# Allegro board RK3576_TEMPLATE_LP4XD200P132SD6_24X34_2133MHz_H1R6_V11_20240529YWQ.brd (continued)
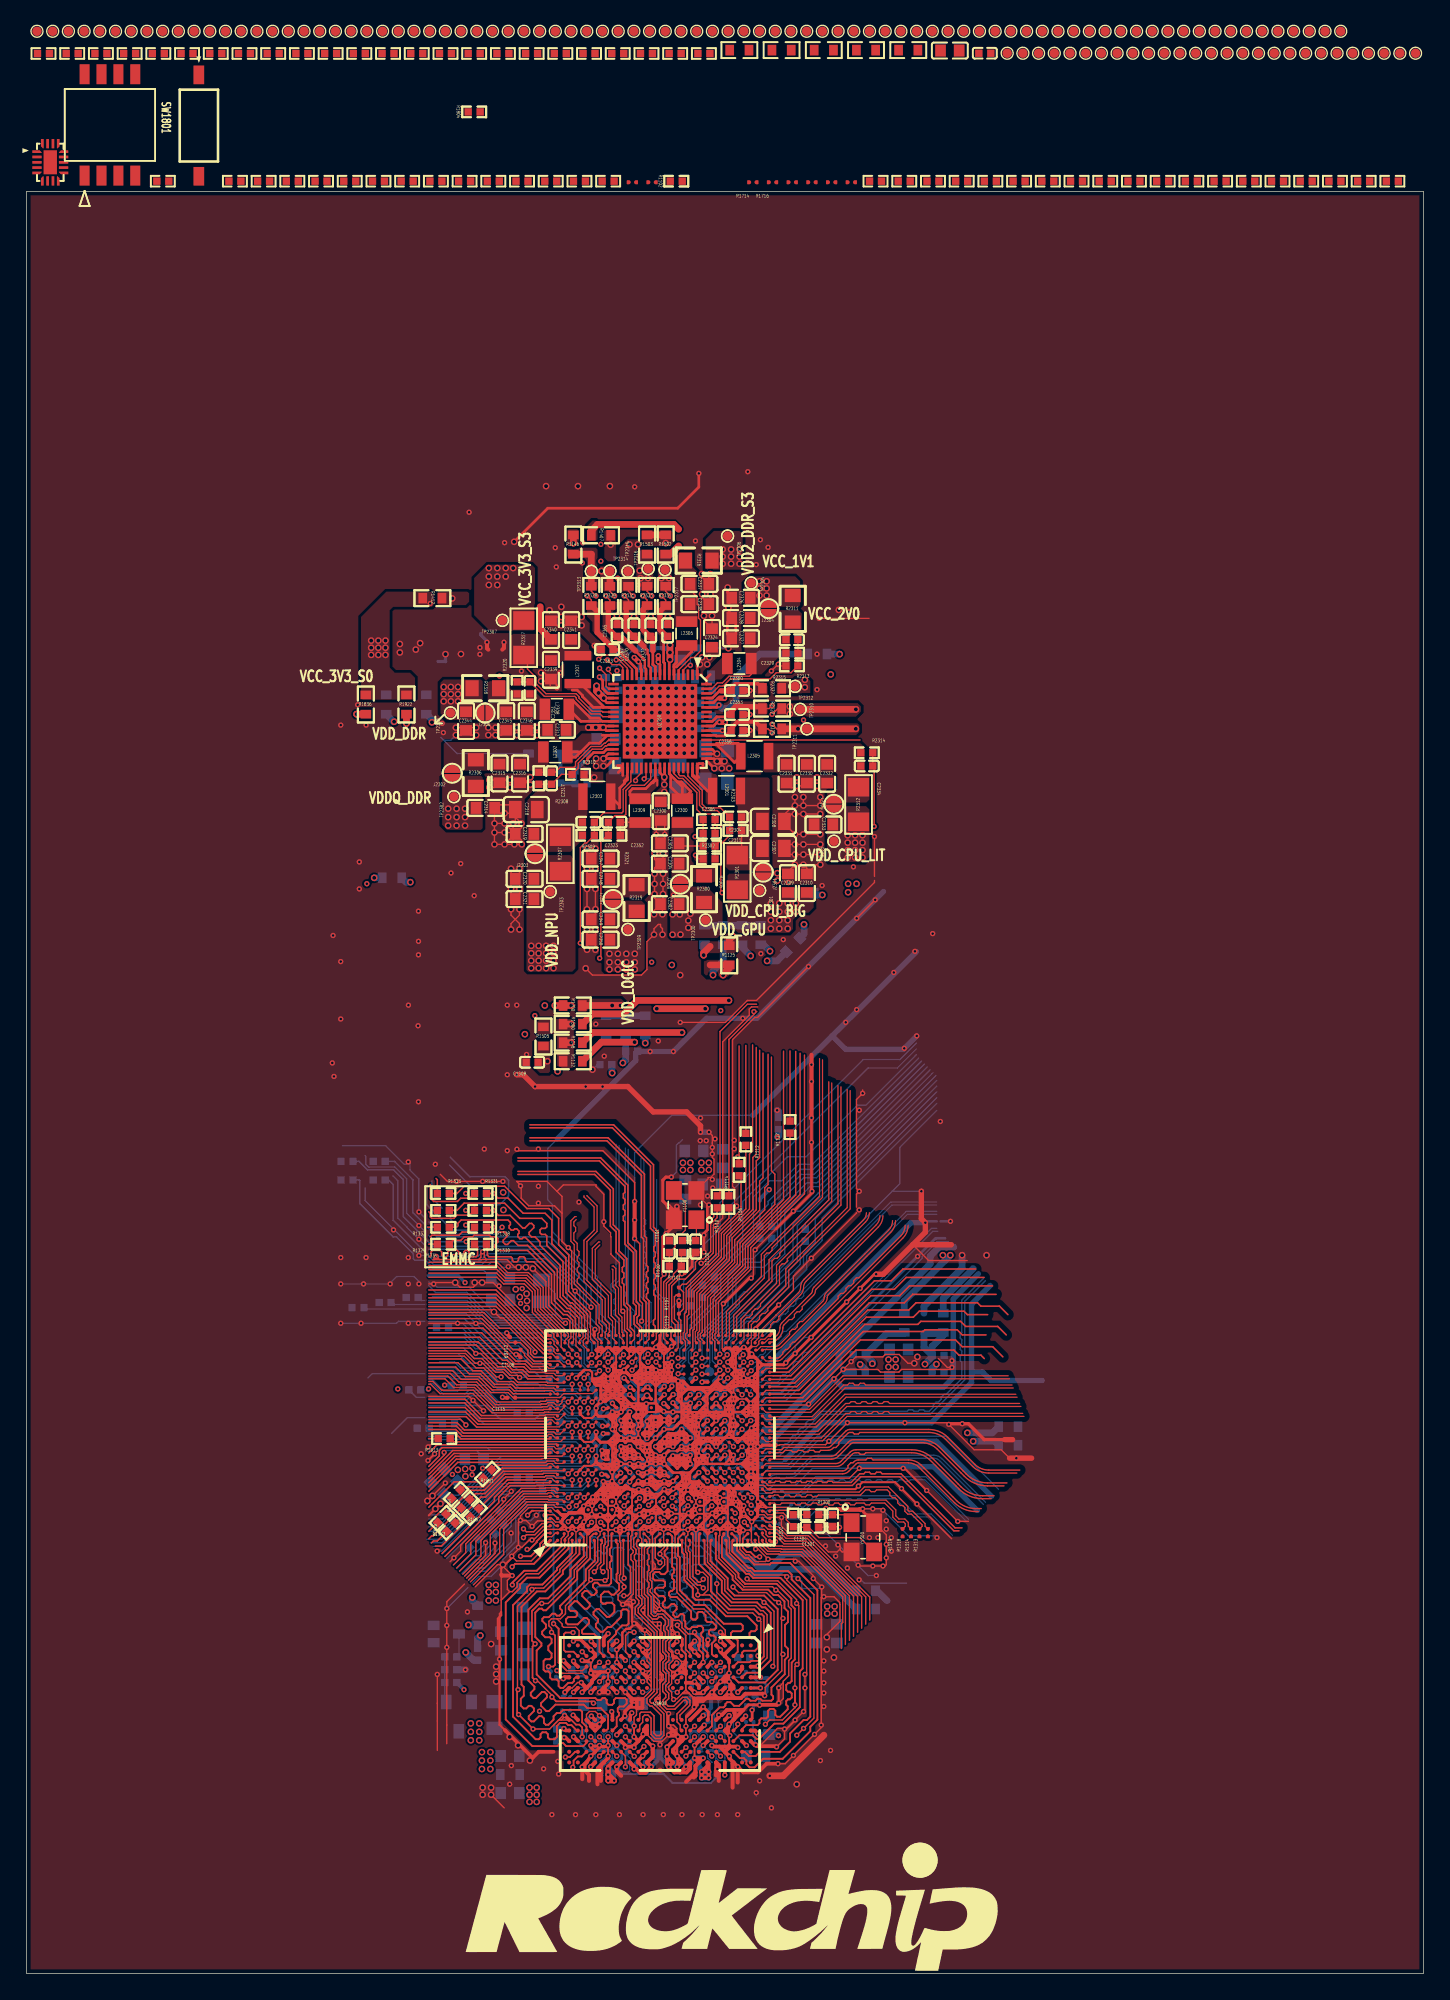
[diagram p0: board, top side]
## Nets (continued)
GPIO0_D3_D: R1140.1 U1000.1AA23(UART1_RTSN_M0 | PWM2_CH0_M0 | GPU_AVS        | --              | I2C4_SDA_M0      | PDM0_SDI3_M0 | SAI0_SDO1_M1   | SAI0_SDI3_M1 | GPIO0_D3_D)
GPIO1_A4: R1332.1 U1000.1D24(--          | --         | --            | SPI0_CSN0_M2  | --           | SAI3_MCLK_M0 | SAI0_MCLK_M2 | --         | EMMC_D4   | GPIO1_A4_U)
GPIO1_A5: R1333.1 U1000.G28(--          | --         | I2C9_SCL_M0   | SPI0_MOSI_M2  | PDM0_SDI2_M1 | SAI3_SCLK_M0 | --           | --         | EMMC_D5   | GPIO1_A5_U)
GPIO1_A6: R1334.1 U1000.D28(--          | --         | I2C9_SDA_M0   | SPI0_MISO_M2  | PDM0_CLK1_M1 | SAI3_LRCK_M0 | --           | --         | EMMC_D6   | GPIO1_A6_U)
GPIO1_A7: R1335.1 U1000.1B24(--          | --         | --            | SPI0_CLK_M2   | --           | SAI3_SDI_M0  | SAI0_SDO0_M2 | --         | EMMC_D7   | GPIO1_A7_U)
GPIO1_B0: R1336.1 U1000.1F22(--          | --         | I2C7_SCL_M0   | UART6_TX_M2   | --           | --           | FSPI0_CSN1   | FSPI0_RSTN | EMMC_CMD  | GPIO1_B0_U)
GPIO1_B2: R1338.1 U1000.1F23(--          | --         | --            | SPI0_CSN1_M2  | PDM0_SDI0_M1 | SAI3_SDO_M0  | SAI0_SDI0_M2 | --         | EMMC_STRB | GPIO1_B2_D)
GPIO1_C1_D: R1813.1 U1000.1B22(--           | --               | --           | --             | UART3_RX_M2    | --           | PDM0_CLK0_M2 | SAI3_MCLK_M1  | --            | SDMMC1_CLK_M0   | ETH1_TXCLK_M1       | GPIO1_C1_D)
GPIO1_C2_U: R1814.1 U1000.B29(PWM1_CH2_M1  | --               | SPI2_CSN1_M1 | I2C6_SCL_M1    | UART4_RTSN_M1  | --           | --           | FSPI1_CSN1_M1 | FSPI1_RSTN_M1 | SDMMC1_PWREN_M0 | ETH1_PPSCLK_M1      | GPIO1_C2_U)
GPIO1_C3_U: R1815.1 U1000.1C23(--           | --               | SPI2_CSN0_M1 | I2C6_SDA_M1    | UART4_CTSN_M1  | --           | --           | --            | FSPI1_CSN0_M1 | SDMMC1_DETN_M0  | ETH1_PPSTRIG_M1     | GPIO1_C3_U)
GPIO1_C4_D: R1816.1 U1000.1B23(--           | PCIE0_BUTTONRSTN | SPI2_MOSI_M1 | UART2_RTSN_M0  | UART4_TX_M1    | --           | --           | --            | FSPI1_D0_M1   | --              | ETH1_TXD0_M1        | GPIO1_C4_D)
GPIO1_C5_D: R1817.1 U1000.B28(--           | PCIE1_BUTTONRSTN | SPI2_MISO_M1 | UART2_CTSN_M0  | UART4_RX_M1    | --           | --           | --            | FSPI1_D1_M1   | --              | ETH1_TXD1_M1        | GPIO1_C5_D)
GPIO1_C6_D: R1818.1 U1000.A26(--           | SATA_CPPOD       | --           | I2C8_SCL_M1    | UART2_TX_M0    | --           | PDM0_SDI0_M2 | --            | FSPI1_D2_M1   | --              | ETH1_TXCTL_M1       | GPIO1_C6_D)
GPIO1_C7_D: R1819.1 U1000.1C22(--           | SATA_CPDET       | --           | I2C8_SDA_M1    | UART2_RX_M0    | --           | PDM0_SDI1_M2 | --            | FSPI1_D3_M1   | --              | ETH1_RXD0_M1        | GPIO1_C7_D)
GPIO1_D0_D: R1820.1 U1000.C29(--           | --               | --           | --             | UART10_TX_M1   | --           | --           | SAI2_SDO_M0   | --            | --              | ETH1_RXD1_M1        | GPIO1_D0_D)
GPIO1_D1_D: R1821.1 U1000.1D22(--           | --               | --           | I3C0_SDA_PU_M1 | UART10_RX_M1   | --           | --           | SAI2_SCLK_M0  | --            | --              | ETH1_RXCTL_M1       | GPIO1_D1_D)
GPIO1_D2_D: R1822.1 U1000.1A24(PWM1_CH3_M1  | --               | --           | I3C0_SCL_M1    | --             | --           | --           | SAI2_LRCK_M0  | --            | --              | ETH1_MDC_M1         | GPIO1_D2_D)
GPIO1_D3_D: R1842.1 U1000.C28(PWM1_CH4_M1  | --               | --           | I3C0_SDA_M1    | --             | --           | --           | SAI2_SDI_M0   | --            | --              | ETH1_MDIO_M1        | GPIO1_D3_D)
GPIO1_D4_D: R1823.1 U1000.1E21(--           | --               | --           | I2C5_SCL_M1    | UART10_RTSN_M1 | SPDIF_RX1_M2 | PDM0_SDI3_M2 | SAI2_MCLK_M0  | --            | --              | ETH1_MCLK_M1        | GPIO1_D4_D)
GPIO1_D5_D: R1824.1 U1000.1E22(CLK1_32K_OUT | SATA_MPSWIT      | SPI2_CLK_M1  | I2C5_SDA_M1    | UART10_CTSN_M1 | SPDIF_TX1_M2 | PDM0_CLK1_M2 | --            | FSPI1_CLK_M1  | --              | ETH_CLK1_25M_OUT_M1 | GPIO1_D5_D)
GPIO2_B0_D: R1907.1 U1000.B19(--          | --              | --               | --            | UART1_TX_M1    | PDM0_SDI3_M3 | SAI0_SDI0_M0 | ETH0_TXD1_M1        | SDMMC1_D2_M1        | VI_CIF_D13           | GPIO2_B0_D)
GPIO2_B1_D: R1908.1 U1000.1A18(--          | --              | --               | --            | UART1_RX_M1    | PDM0_SDI2_M3 | SAI0_SDI1_M0 | ETH0_TXD0_M1        | SDMMC1_D3_M1        | VI_CIF_D12           | GPIO2_B1_D)
GPIO2_C3_D: R1912.1 U1000.A15(PWM0_CH0_M2 | --              | --               | SPI1_MISO_M1  | UART11_RTSN_M1 | PDM1_SDI3_M0 | SAI2_LRCK_M1 | --                  | ETH1_TXD2_M0        | VI_CIF_D2            | GPIO2_C3_D)
GPIO2_C4_D: R1913.1 U1000.1A13(PWM1_CH3_M2 | --              | --               | SPI1_CSN0_M1  | UART11_TX_M1   | PDM1_SDI0_M0 | SAI2_SDO_M1  | --                  | ETH1_TXD3_M0        | VI_CIF_D1            | GPIO2_C4_D)
GPIO2_C5_D: R1914.1 U1000.1C15(PWM1_CH4_M2 | --              | --               | SPI1_CLK_M1   | UART11_RX_M1   | PDM1_CLK0_M0 | SAI2_SDI_M1  | --                  | ETH1_TXCLK_M0       | VI_CIF_D0            | GPIO2_C5_D)
GPIO2_C6_D: R1915.1 U1000.1A14(PWM1_CH5_M2 | --              | I2C5_SCL_M2      | --            | UART4_CTSN_M0  | --           | SAI4_SCLK_M3 | --                  | ETH1_TXD0_M0        | --                   | GPIO2_C6_D)
GPIO2_C7_D: R1918.1 U1000.B15(PWM0_CH1_M2 | --              | I2C5_SDA_M2      | --            | UART4_RTSN_M0  | --           | SAI4_LRCK_M3 | --                  | ETH1_TXD1_M0        | --                   | GPIO2_C7_D)
GPIO2_D0_D: R1919.1 U1000.B16(PWM2_CH0_M2 | --              | I2C6_SCL_M2      | --            | UART4_TX_M0    | --           | SAI4_SDI_M3  | --                  | ETH1_TXCTL_M0       | --                   | GPIO2_D0_D)
GPIO2_D4_D: R1920.1 U1000.1B13(PWM2_CH4_M2 | --              | I2C9_SDA_M2      | --            | UART6_RTSN_M1  | --           | --           | --                  | ETH1_MDC_M0         | ISP_PRELIGHT_TRIG_M0 | GPIO2_D4_D)
GPIO2_D5_D: R1921.1 U1000.1B15(PWM2_CH5_M2 | --              | I2C9_SCL_M2      | --            | UART6_CTSN_M1  | --           | --           | --                  | ETH1_MDIO_M0        | ISP_FLASH_TRIGOUT_M0 | GPIO2_D5_D)
GPIO2_D6_D: R1911.2
GPIO2_D7_D: R1949.2
GPIO3_A2_D: R1904.1 U1000.1A20(--          | MIPI_TE_M1      | CAN1_TX_M3       | SPI3_MISO_M0  | UART3_CTSN_M0  | SPDIF_RX1_M1 | SAI3_SDO_M2  | ETH0_RXCTL_M1       | ETH1_PPSCLK_M0      | VI_CIF_CLKO          | GPIO3_A2_D)
GPIO3_A4_D: R1938.1 U1000.1D13(PWM1_CH0_M3 | --             | SPI2_CLK_M2    | UART1_CTSN_M2  | FLEXBUS0_CSN_M0 | --              | FLEXBUS1_D11    | DSMC_RDYN   | SAI4_SDI_M1  | ETH_CLK0_25M_OUT_M0 | VO_EBC_SDSHR  | VO_LCDC_D23   | GPIO3_A4_D)
GPIO3_A5_D: R1924.1 U1000.A9(PWM1_CH1_M3 | --             | SPI2_CSN1_M2   | UART1_RTSN_M2  | --              | --              | FLEXBUS0_D7     | DSMC_DATA15 | PDM1_SDI3_M2 | ETH0_MDIO_M0        | VO_EBC_GDSP   | VO_LCDC_D22   | GPIO3_A5_D)
GPIO3_A6_D: R1925.1 U1000.1A7(PWM1_CH2_M3 | --             | UART10_CTSN_M0 | UART1_RX_M2    | --              | --              | FLEXBUS0_D6     | DSMC_DATA14 | PDM1_SDI2_M2 | ETH0_MDC_M0         | VO_EBC_GDOE   | VO_LCDC_D21   | GPIO3_A6_D)
GPIO3_B0_D: R1942.1 U1000.B14(PWM0_CH0_M3 | --             | SPI2_MOSI_M2   | UART10_RX_M0   | --              | --              | FLEXBUS0_D8     | DSMC_CSN1   | SAI4_MCLK_M1 | ETH0_MCLK_M0        | VO_EBC_SDCE3  | VO_LCDC_D19   | GPIO3_B0_D)
GPIO3_B3_D: R1928.1 U1000.A11(--          | I2C8_SCL_M3    | --             | UART9_TX_M1    | --              | --              | FLEXBUS0_D2     | DSMC_DATA10 | PDM1_SDI0_M2 | ETH0_TXCTL_M0       | VO_EBC_SDCE0  | VO_LCDC_D16   | GPIO3_B3_D)
GPIO3_B4_D: R1929.1 U1000.B10(PWM1_CH4_M3 | --             | --             | UART9_RTSN_M1  | --              | --              | FLEXBUS0_D1     | DSMC_DATA9  | SPDIF_RX1_M0 | ETH0_TXD1_M0        | VO_EBC_SDDO15 | VO_LCDC_D15   | GPIO3_B4_D)
GPIO3_B5_D: R1930.1 U1000.1A9(PWM1_CH5_M3 | --             | --             | UART9_CTSN_M1  | --              | --              | FLEXBUS0_D0     | DSMC_DATA8  | SPDIF_TX1_M0 | ETH0_TXD0_M0        | VO_EBC_SDDO14 | VO_LCDC_D14   | GPIO3_B5_D)
GPIO3_B6_D: R1931.1 U1000.B11(PWM0_CH1_M3 | --             | SPI3_CSN0_M1   | --             | --              | --              | FLEXBUS0_CLK    | DSMC_DQS1   | --           | ETH0_TXCLK_M0       | VO_EBC_SDDO13 | VO_LCDC_D13   | GPIO3_B6_D)
GPIO3_C2_D: R1932.1 U1000.B9(PWM2_CH0_M3 | I2C9_SCL_M3    | SPI4_MISO_M1   | UART11_RTSN_M0 | --              | --              | FLEXBUS0_D9     | DSMC_INT1   | SAI2_SCLK_M2 | ETH0_TXD3_M0        | VO_EBC_SDDO9  | VO_LCDC_D9    | GPIO3_C2_D)
GPIO3_C3_D: R1933.1 U1000.1A8(PWM2_CH1_M3 | I2C9_SDA_M3    | SPI4_MOSI_M1   | UART11_CTSN_M0 | FLEXBUS0_CSN_M2 | --              | FLEXBUS0_D10    | DSMC_INT3   | SAI2_LRCK_M2 | ETH0_TXD2_M0        | VO_EBC_SDDO8  | VO_LCDC_D8    | GPIO3_C3_D)
GPIO3_C5_D: R1946.1 U1000.1B9(PWM2_CH2_M3 | --             | SPI1_MISO_M2   | UART8_RX_M0    | --              | --              | FLEXBUS1_D6     | DSMC_DATA4  | SAI1_SDO0_M1 | --                  | VO_EBC_SDDO6  | VO_LCDC_D6    | GPIO3_C5_D)
GPIO3_D4_D: R1939.1 U1000.1E12(--          | I2C3_SCL_M2    | SPI3_CLK_M1    | UART5_RX_M0    | --              | --              | FLEXBUS1_D1     | DSMC_DATA0  | SAI1_SDI1_M1 | --                  | VO_EBC_SDLE   | VO_LCDC_DEN   | GPIO3_D4_D)
GPIO3_D6_D: R1943.1 U1000.1C10(PWM2_CH6_M3 | --             | SPI3_MOSI_M1   | UART5_CTSN_M0  | --              | --              | FLEXBUS1_CLK    | DSMC_CLKN   | SAI1_SDI3_M1 | --                  | VO_EBC_SDCLK  | VO_LCDC_VSYNC | GPIO3_D6_D)
GPIO4_A2_D: R1802.1 U1000.1D6(PWM2_CH5_M0 | --               | --            | --            | --           | --              | AUPLL_CLK_IN_M2 | SAI4_MCLK_M0 | SAI1_MCLK_M0 | GPIO4_A2_D)
GPIO4_A3_D: R1803.1 U1000.1C6(PWM2_CH4_M1 | --               | I2C2_SCL_M2   | UART5_RTSN_M1 | SPI3_CSN0_M2 | FLEXBUS1_CSN_M4 | --              | --           | SAI1_SCLK_M0 | GPIO4_A3_D)
GPIO4_A4_D: R1804.1 U1000.1C5(CAN0_TX_M2  | --               | I2C4_SCL_M1   | UART6_TX_M0   | SPI3_MOSI_M2 | FLEXBUS0_D13_M1 | PDM1_SDI3_M1    | SAI4_SCLK_M0 | --           | GPIO4_A4_D)
GPIO4_A5_D: R1806.1 U1000.1B6(--          | PCIE1_CLKREQN_M2 | I2C2_SDA_M2   | UART5_CTSN_M1 | SPI4_CSN1_M2 | FLEXBUS1_D12_M1 | --              | --           | SAI1_LRCK_M0 | GPIO4_A5_D)
GPIO4_A6_D: R1807.1 U1000.1B5(CAN0_RX_M2  | --               | I2C4_SDA_M1   | UART6_RX_M0   | SPI3_MISO_M2 | FLEXBUS0_D14_M1 | PDM1_CLK0_M1    | SAI4_LRCK_M0 | --           | GPIO4_A6_D)
GPIO4_A7_D: R1808.1 U1000.A7(PWM2_CH6_M0 | --               | --            | --            | SPI3_CLK_M2  | --              | --              | SAI4_SDI_M0  | SAI1_SDO0_M0 | GPIO4_A7_D)
GPIO4_B3_D: R1810.1 U1000.1A6(PWM2_CH7_M0 | --               | --            | SPI3_CSN1_M2  | SPI4_CSN0_M2 | --              | PDM1_SDI0_M1    | SAI4_SDO_M0  | SAI1_SDI0_M0 | GPIO4_B3_D)
GPIO4_C0_D: R1827.1 U1000.AK3(PWM1_CH5_M1 | UART11_TX_M2 | SPI4_CSN1_M0    | I2C7_SCL_M3 | --               | HDMI_TX_CEC_M0   | --           | SAI4_MCLK_M2 | DSM_AUD_LP_M1        | GPIO4_C0_D)
GPIO4_C2_D: R1830.1 U1000.AL2(PWM2_CH0_M1 | UART9_TX_M2  | CAN0_TX_M1      | I2C2_SCL_M3 | --               | HDMI_TX_SCL      | --           | --           | DSM_AUD_RP_M1        | GPIO4_C2_D)
GPIO4_C3_D: R1832.1 U1000.1AE2(PWM2_CH1_M1 | UART9_RX_M2  | CAN0_RX_M1      | I2C2_SDA_M3 | --               | HDMI_TX_SDA      | --           | --           | DSM_AUD_RN_M1        | GPIO4_C3_D)
GPIO4_C4_D: SW1801.1(A1) U1000.AL3(PWM2_CH6_M1 | UART6_TX_M3  | SPI4_CSN0_M0    | I2C3_SCL_M3 | DP_HPDIN_M0      | --               | --           | SAI4_LRCK_M2 | ISP_PRELIGHT_TRIG_M1 | GPIO4_C4_D)
GPIO4_C5_D: R1834.1 U1000.AK1(PWM2_CH5_M1 | UART6_RX_M3  | SPI4_MOSI_M0    | I2C3_SDA_M3 | SATA1_ACTLED_M1  | --               | VP0_SYNC_OUT | SAI4_SDO_M2  | ISP_FLASH_TRIGOUT_M1 | GPIO4_C5_D)
GPIO4_C6_D: SW1801.3(A3) U1000.1AE1(PWM2_CH2_M1 | CAN1_TX_M1   | SPI4_MISO_M0    | I2C6_SCL_M3 | SATA0_ACTLED_M1  | PCIE0_CLKREQN_M3 | VP1_SYNC_OUT | SAI4_SDI_M2  | --                   | GPIO4_C6_D)
GPIO4_C7_D: SW1801.4(A4) U1000.AJ1(PWM2_CH3_M1 | CAN1_RX_M1   | SPI4_CLK_M0     | I2C6_SDA_M3 | --               | --               | VP2_SYNC_OUT | SAI4_SCLK_M2 | --                   | GPIO4_C7_D)
GSENSOR_INT_L: R1824.2
HDMI_TX/EDP_TX_AVDD1V8: C1602.1 C1603.1 R1602.1 U1000.2N10(HDMI_TX_EDP_TX_AVDDIO1V8) U1000.2P10(HDMI_TX_EDP_TX_AVDDCMN1V8)
HDMI_TX_CEC_M0: R1827.2
HDMI_TX_D0N: TP1603.1 U1000.AK27(HDMI_TX_D0N  |  EDP_TX_D0N)
HDMI_TX_D0P: TP1602.1 U1000.1AE24(HDMI_TX_D0P  |  EDP_TX_D0P)
HDMI_TX_D1N: TP1605.1 U1000.AL28(HDMI_TX_D1N  |  EDP_TX_D1N)
HDMI_TX_D1P: TP1604.1 U1000.AK28(HDMI_TX_D1P  |  EDP_TX_D1P)
HDMI_TX_D2N: TP1607.1 U1000.AK29(HDMI_TX_D2N  |  EDP_TX_D2N)
HDMI_TX_D2P: TP1606.1 U1000.AJ28(HDMI_TX_D2P  |  EDP_TX_D2P)
HDMI_TX_D3N: TP1609.1 U1000.AK26(HDMI_TX_D3N  |  EDP_TX_D3N)
HDMI_TX_D3P: TP1608.1 U1000.AL26(HDMI_TX_D3P  |  EDP_TX_D3P)
HDMI_TX_HPDIN_M0: TP1808.1 U1000.AK2(PWM0_CH1_M1 | UART11_RX_M2 | EDP_TX_HPDIN_M0 | I2C7_SDA_M3 | PCIE1_CLKREQN_M3 | HDMI_TX_HPDIN_M0 | --           | --           | DSM_AUD_LN_M1        | GPIO4_C1_D)
HDMI_TX_ON_H: R1907.2
HDMI_TX_REXT/EDP_TX_REXT: R1600.1 U1000.1AA20(HDMI_TX_REXT | EDP_TX_REXT)
HDMI_TX_SBDN: TP1601.1 U1000.2U12(HDMI_TX_SBDN | EDP_TX_AUXN)
HDMI_TX_SBDP: TP1600.1 U1000.2T12(HDMI_TX_SBDP | EDP_TX_AUXP)
HDMI_TX_SCL: R1830.2
HDMI_TX_SDA: R1832.2
HOST_WAKE_BT_H: R1823.2
HP_CTL_H: R1943.2
HP_DET_L: R1140.2
I2C0_SCL_M1_TP: TP1102.1 U1000.AB28(--            | --          | I3C0_SCL_M0    | UART8_TX_M2     | I2C0_SCL_M1      | --           | --             | --           | GPIO0_C1_D)
I2C0_SDA_M1_TP: TP1103.1 U1000.1V24(--            | --          | I3C0_SDA_M0    | UART8_RX_M2     | I2C0_SDA_M1      | --           | --             | --           | GPIO0_C2_D)
I2C1_SCL_M0_RK806: R1122.2 U2300.17((SCL)CLK)
I2C1_SDA_M0_RK806: R1123.2 U2300.15((SDA)MOSI)
I2C2_SCL_M0_CC_RTC: R1131.2
I2C2_SDA_M0_CC_RTC: R1133.2
I2C3_SCL_M0_AUDIO: R1801.2 U1000.1A4(CAN1_TX_M2  | PCIE0_CLKREQN_M2 | I2C3_SCL_M0   | UART2_TX_M1   | --           | FLEXBUS0_D15_M1 | --              | --           | SPDIF_TX0_M0 | GPIO4_B5_D)
I2C3_SDA_M0_AUDIO: R1800.2 U1000.B8(CAN1_RX_M2  | --               | I2C3_SDA_M0   | UART2_RX_M1   | --           | FLEXBUS0_CSN_M4 | --              | --           | SPDIF_RX0_M0 | GPIO4_B4_D)
I2C4_SCL_M3_MIPI_CSI0: R1927.2 U1000.1E9(--          | I2C4_SCL_M3    | UART3_RTSN_M1  | UART2_TX_M2    | --              | --              | FLEXBUS1_D9     | DSMC_DATA7  | SAI1_SDO3_M1 | ETH0_PPSCLK_M0      | VO_EBC_SDDO11 | VO_LCDC_D11   | GPIO3_C0_D)
I2C4_SDA_M3_MIPI_CSI0: R1926.2 U1000.1D12(--          | I2C4_SDA_M3    | UART3_CTSN_M1  | UART2_RX_M2    | FLEXBUS1_CSN_M0 | --              | FLEXBUS1_D10    | DSMC_DQS0   | SAI1_SDI0_M1 | ETH0_PPSTRIG_M0     | VO_EBC_SDDO12 | VO_LCDC_D12   | GPIO3_B7_D)
I2C5_SCL_M3_MIPI_CSI1: R1935.2 U1000.1D9(CAN0_TX_M3  | I2C5_SCL_M3    | SPI2_CSN0_M2   | UART11_TX_M0   | --              | --              | FLEXBUS1_D7     | DSMC_DATA5  | SAI1_SDO1_M1 | --                  | VO_EBC_SDDO7  | VO_LCDC_D7    | GPIO3_C4_D)
I2C5_SDA_M3_MIPI_CSI1: R1934.2 U1000.1B10(CAN0_RX_M3  | I2C5_SDA_M3    | SPI2_MISO_M2   | UART11_RX_M0   | --              | --              | FLEXBUS1_D8     | DSMC_DATA6  | SAI1_SDO2_M1 | ETH0_PTP_REFCLK_M0  | VO_EBC_SDDO10 | VO_LCDC_D10   | GPIO3_C1_D)
I2C6_SCL_M3_MIPI_CSI2: R1845.2
I2C6_SDA_M3_MIPI_CSI2: R1846.2
I2C7_SCL_M1_SENSOR: R1916.2 U1000.1D16(--          | --              | I2C7_SCL_M1      | SPI3_CLK_M0   | UART3_TX_M0    | --           | SAI3_SCLK_M2 | ETH0_MDIO_M1        | --                  | VI_CIF_HREF          | GPIO3_A0_D)
I2C7_SDA_M1_SENSOR: R1917.2 U1000.1B18(--          | --              | I2C7_SDA_M1      | SPI3_MOSI_M0  | UART3_RX_M0    | --           | SAI3_LRCK_M2 | ETH0_MDC_M1         | ETH1_PPSTRIG_M0     | VI_CIF_VSYNC         | GPIO3_A1_D)
I2C8_SCL_M2_MIPI_CSI3: R1909.2 U1000.A21(--          | --              | I2C8_SCL_M2      | UART8_RTSN_M1 | UART7_TX_M0    | --           | SAI0_SCLK_M0 | ETH0_RXD3_M1        | ETH1_PTP_REFCLK_M1  | VI_CIF_D7            | GPIO2_B6_D)
I2C8_SDA_M2_MIPI_CSI3: R1910.2 U1000.B21(--          | --              | I2C8_SDA_M2      | UART8_CTSN_M1 | UART7_RX_M0    | --           | SAI0_LRCK_M0 | ETH0_RXD2_M1        | --                  | VI_CIF_D6            | GPIO2_B7_D)
I2C_MODE_SEL: R2324.2 U2300.18((IIC/S\P\I\)CS)
IRC_AIN: SW1801.6(B3)
IRC_BIN: SW1801.5(B4)
LCD_BL_PWM1_CH1_M0: TP1100.1 U1000.AD29(--            | PWM1_CH1_M0 | --             | UART4_RX_M2     | I2C1_SDA_M1      | --           | --             | REF_CLK2_OUT | GPIO0_B5_D)
LCD_PWREN_H: TP1107.1 U1000.1Y21(--            | --          | SPI0_CSN0_M0   | --              | I2C3_SCL_M1      | --           | --             | SAI0_SCLK_M1 | GPIO0_C6_D)
LPDDR4_A0_A: U1000.T1(LP4_A0_A    | LP4X_A0_A    |     LP5_A0_A) U3800.H2(CA0_A)
LPDDR4_A0_B: U1000.L1(LP4_A0_B    | LP4X_A0_B    |     LP5_A0_B) U3800.R2(CA0_B)
LPDDR4_A1_A: U1000.1N1(LP4_A1_A    | LP4X_A1_A    |     LP5_A1_A) U3800.J2(CA1_A)
LPDDR4_A1_B: U1000.1J1(LP4_A1_B    | LP4X_A1_B    |     LP5_A1_B) U3800.P2(CA1_B)
LPDDR4_A2_A: U1000.1R3(LP4_A2_A    | LP4X_A2_A    |     LP5_A2_A) U3800.H9(CA2_A)
LPDDR4_A2_B: U1000.1J3(LP4_A2_B    | LP4X_A2_B    |     LP5_A2_B) U3800.R9(CA2_B)
LPDDR4_A3_A: U1000.1T2(LP4_A3_A    | LP4X_A3_A    |     LP5_A3_A) U3800.H10(CA3_A)
LPDDR4_A3_B: U1000.1G2(LP4_A3_B    | LP4X_A3_B    |     LP5_A3_B) U3800.R10(CA3_B)
LPDDR4_A4_A: U1000.1M5(LP4_A4_A    | LP4X_A4_A    |     LP5_A4_A) U3800.H11(CA4_A)
LPDDR4_A4_B: U1000.1F4(LP4_A4_B    | LP4X_A4_B    |     LP5_A4_B) U3800.R11(CA4_B)
LPDDR4_A5_A: U1000.1P5(LP4_A5_A    | LP4X_A5_A    |     LP5_A5_A) U3800.J11(CA5_A)
LPDDR4_A5_B: U1000.1K5(LP4_A5_B    | LP4X_A5_B    |     LP5_A5_B) U3800.P11(CA5_B)
LPDDR4_CKE0_A: U1000.1N3(LP4_CKE0_A  | LP4X_CKE0_A  |   LP5_CSN0_A) U3800.J4(CKE0_A)
LPDDR4_CKE0_B: U1000.1K2(LP4_CKE0_B  | LP4X_CKE0_B  |   LP5_CSN0_B) U3800.P4(CKE0_B)
LPDDR4_CKE1_A: U1000.1N5(LP4_CKE1_A  | LP4X_CKE1_A  |   LP5_CSN1_A) U3800.J5(CKE1_A)
LPDDR4_CKE1_B: U1000.1M3(LP4_CKE1_B  | LP4X_CKE1_B  |   LP5_CSN1_B) U3800.P5(CKE1_B)
LPDDR4_CLKN_A: U1000.P1(LP4_CLKN_A  | LP4X_CLKN_A  |   LP5_CLKN_A) U3800.J9(CK_C_A)
LPDDR4_CLKN_B: U1000.N1(LP4_CLKN_B  | LP4X_CLKN_B  |   LP5_CLKN_B) U3800.P9(CK_C_B)
LPDDR4_CLKP_A: U1000.1L1(LP4_CLKP_A  | LP4X_CLKP_A  |   LP5_CLKP_A) U3800.J8(CK_T_A)
LPDDR4_CLKP_B: U1000.1K1(LP4_CLKP_B  | LP4X_CLKP_B  |   LP5_CLKP_B) U3800.P8(CK_T_B)
LPDDR4_CSN0_A: U1000.1R4(LP4_CSN0_A  | LP4X_CSN0_A  |           --) U3800.H4(CS0_A)
LPDDR4_CSN0_B: U1000.1J5(LP4_CSN0_B  | LP4X_CSN0_B  |           --) U3800.R4(CS0_B)
LPDDR4_CSN1_A: U1000.1T4(LP4_CSN1_A  | LP4X_CSN1_A  |           --) U3800.H3(CS1_A)
LPDDR4_CSN1_B: U1000.1K4(LP4_CSN1_B  | LP4X_CSN1_B  |           --) U3800.R3(CS1_B)
LPDDR4_DMI0_A: U1000.1V1(LP4_DMI0_A  | LP4X_DMI0_A  |   LP5_DMI0_A) U3800.C3(DMI0_A)
LPDDR4_DMI0_B: U1000.B4(LP4_DMI0_B  | LP4X_DMI0_B  |   LP5_DMI0_B) U3800.Y3(DMI0_B)
LPDDR4_DMI1_A: U1000.AE1(LP4_DMI1_A  | LP4X_DMI1_A  |   LP5_DMI1_A) U3800.C10(DMI1_A)
LPDDR4_DMI1_B: U1000.1B1(LP4_DMI1_B  | LP4X_DMI1_B  |   LP5_DMI1_B) U3800.Y10(DMI1_B)
LPDDR4_DQ0_A: U1000.W1(LP4_DQ0_A   | LP4X_DQ0_A   |    LP5_DQ0_A) U3800.B2(DQ0_A)
LPDDR4_DQ0_B: U1000.1D2(LP4_DQ0_B   | LP4X_DQ0_B   |    LP5_DQ0_B) U3800.AA2(DQ0_B)
LPDDR4_DQ1_A: U1000.1T1(LP4_DQ1_A   | LP4X_DQ1_A   |    LP5_DQ1_A) U3800.C2(DQ1_A)
LPDDR4_DQ1_B: U1000.1F2(LP4_DQ1_B   | LP4X_DQ1_B   |    LP5_DQ1_B) U3800.Y2(DQ1_B)
LPDDR4_DQ2_A: U1000.1P1(LP4_DQ2_A   | LP4X_DQ2_A   |    LP5_DQ2_A) U3800.E2(DQ2_A)
LPDDR4_DQ2_B: U1000.1G1(LP4_DQ2_B   | LP4X_DQ2_B   |    LP5_DQ2_B) U3800.V2(DQ2_B)
LPDDR4_DQ3_A: U1000.U1(LP4_DQ3_A   | LP4X_DQ3_A   |    LP5_DQ3_A) U3800.F2(DQ3_A)
LPDDR4_DQ3_B: U1000.K1(LP4_DQ3_B   | LP4X_DQ3_B   |    LP5_DQ3_B) U3800.U2(DQ3_B)
LPDDR4_DQ4_A: U1000.1V3(LP4_DQ4_A   | LP4X_DQ4_A   |    LP5_DQ4_A) U3800.F4(DQ4_A)
LPDDR4_DQ4_B: U1000.1C3(LP4_DQ4_B   | LP4X_DQ4_B   |    LP5_DQ4_B) U3800.U4(DQ4_B)
LPDDR4_DQ5_A: U1000.1W4(LP4_DQ5_A   | LP4X_DQ5_A   |    LP5_DQ5_A) U3800.E4(DQ5_A)
LPDDR4_DQ5_B: U1000.1B3(LP4_DQ5_B   | LP4X_DQ5_B   |    LP5_DQ5_B) U3800.V4(DQ5_B)
LPDDR4_DQ6_A: U1000.AC1(LP4_DQ6_A   | LP4X_DQ6_A   |    LP5_DQ6_A) U3800.C4(DQ6_A)
LPDDR4_DQ6_B: U1000.A5(LP4_DQ6_B   | LP4X_DQ6_B   |    LP5_DQ6_B) U3800.Y4(DQ6_B)
LPDDR4_DQ7_A: U1000.AB1(LP4_DQ7_A   | LP4X_DQ7_A   |    LP5_DQ7_A) U3800.B4(DQ7_A)
LPDDR4_DQ7_B: U1000.G1(LP4_DQ7_B   | LP4X_DQ7_B   |    LP5_DQ7_B) U3800.AA4(DQ7_B)
LPDDR4_DQ8_A: U1000.AF1(LP4_DQ8_A   | LP4X_DQ8_A   |    LP5_DQ8_A) U3800.B11(DQ8_A)
LPDDR4_DQ8_B: U1000.1A1(LP4_DQ8_B   | LP4X_DQ8_B   |    LP5_DQ8_B) U3800.AA11(DQ8_B)
LPDDR4_DQ9_A: U1000.1AB1(LP4_DQ9_A   | LP4X_DQ9_A   |    LP5_DQ9_A) U3800.C11(DQ9_A)
LPDDR4_DQ9_B: U1000.B1(LP4_DQ9_B   | LP4X_DQ9_B   |    LP5_DQ9_B) U3800.Y11(DQ9_B)
LPDDR4_DQ10_A: U1000.1AD1(LP4_DQ10_A  | LP4X_DQ10_A  |   LP5_DQ10_A) U3800.E11(DQ10_A)
LPDDR4_DQ10_B: U1000.B2(LP4_DQ10_B  | LP4X_DQ10_B  |   LP5_DQ10_B) U3800.V11(DQ10_B)
LPDDR4_DQ11_A: U1000.AH1(LP4_DQ11_A  | LP4X_DQ11_A  |   LP5_DQ11_A) U3800.F11(DQ11_A)
LPDDR4_DQ11_B: U1000.A2(LP4_DQ11_B  | LP4X_DQ11_B  |   LP5_DQ11_B) U3800.U11(DQ11_B)
LPDDR4_DQ12_A: U1000.1Y1(LP4_DQ12_A  | LP4X_DQ12_A  |   LP5_DQ12_A) U3800.F9(DQ12_A)
LPDDR4_DQ12_B: U1000.1E1(LP4_DQ12_B  | LP4X_DQ12_B  |   LP5_DQ12_B) U3800.U9(DQ12_B)
LPDDR4_DQ13_A: U1000.1W2(LP4_DQ13_A  | LP4X_DQ13_A  |   LP5_DQ13_A) U3800.E9(DQ13_A)
LPDDR4_DQ13_B: U1000.1C1(LP4_DQ13_B  | LP4X_DQ13_B  |   LP5_DQ13_B) U3800.V9(DQ13_B)
LPDDR4_DQ14_A: U1000.1AA3(LP4_DQ14_A  | LP4X_DQ14_A  |   LP5_DQ14_A) U3800.C9(DQ14_A)
LPDDR4_DQ14_B: U1000.E1(LP4_DQ14_B  | LP4X_DQ14_B  |   LP5_DQ14_B) U3800.Y9(DQ14_B)
LPDDR4_DQ15_A: U1000.1AA1(LP4_DQ15_A  | LP4X_DQ15_A  |   LP5_DQ15_A) U3800.B9(DQ15_A)
LPDDR4_DQ15_B: U1000.D1(LP4_DQ15_B  | LP4X_DQ15_B  |   LP5_DQ15_B) U3800.AA9(DQ15_B)
LPDDR4_DQS0N_A: U1000.Y1(LP4_DQS0N_A | LP4X_DQS0N_A | LP5_RDQS0N_A) U3800.E3(DQS0_C_A)
LPDDR4_DQS0N_B: U1000.1F1(LP4_DQS0N_B | LP4X_DQS0N_B | LP5_RDQS0N_B) U3800.V3(DQS0_C_B)
LPDDR4_DQS0P_A: U1000.1U1(LP4_DQS0P_A | LP4X_DQS0P_A | LP5_RDQS0P_A) U3800.D3(DQS0_T_A)
LPDDR4_DQS0P_B: U1000.H1(LP4_DQS0P_B | LP4X_DQS0P_B | LP5_RDQS0P_B) U3800.W3(DQS0_T_B)
LPDDR4_DQS1N_A: U1000.1AB3(LP4_DQS1N_A | LP4X_DQS1N_A | LP5_RDQS1N_A) U3800.E10(DQS1_C_A)
LPDDR4_DQS1N_B: U1000.B3(LP4_DQS1N_B | LP4X_DQS1N_B | LP5_RDQS1N_B) U3800.V10(DQS1_C_B)
LPDDR4_DQS1P_A: U1000.1AB4(LP4_DQS1P_A | LP4X_DQS1P_A | LP5_RDQS1P_A) U3800.D10(DQS1_T_A)
LPDDR4_DQS1P_B: U1000.A3(LP4_DQS1P_B | LP4X_DQS1P_B | LP5_RDQS1P_B) U3800.W10(DQS1_T_B)
LPDDR4_RESET: C3800.1 U1000.1U5(LP4_RESET   | LP4X_RESET   |    LP5_RESET) U3800.T11(RESET_N)
MIPI_CSI1/2_AVDD0V75: C1500.1 C1501.1 R1500.1 U1000.2L11(MIPI_DPHY_CSI1/2_RX_AVDD0V75)
MIPI_CSI1/2_AVDD1V8: C1502.1 R1501.1 U1000.1W20(MIPI_DPHY_CSI1/2_RX_AVDD1V8)
MIPI_CSI3/4_AVDD0V75: C1507.1 C1508.1 R1505.1 U1000.2D11(MIPI_DPHY_CSI3/4_RX_AVDD0V75)
MIPI_CSI3/4_AVDD1V8: C1510.1 R1507.1 U1000.2D12(MIPI_DPHY_CSI3/4_RX_AVDD1V8)
MIPI_DCPHY_AVDD: C1504.1 C1505.1 R1502.1 R1503.1 U1000.2M7(MIPI_DCPHY_AVDD)
MIPI_DCPHY_AVDD1V2: C1506.1 R1504.1 U1000.2M8(MIPI_DCPHY_AVDD1V2)
MIPI_DCPHY_AVDD1V8: C1509.1 R1506.1 U1000.2P8(MIPI_DCPHY_AVDD1V8)
MIPI_DCPHY_VREG: C1503.1 U1000.2N7(MIPI_DCPHY_VREG)
MIPI_DPHY_CSI0_CAM_CLKOUT: R1951.2
MIPI_DPHY_CSI0_PDN_H: TP1917.1 U1000.1C7(--          | --             | SPI1_CLK_M2    | UART8_RTSN_M0  | --              | --              | FLEXBUS1_D4     | DSMC_DATA2  | SAI1_SCLK_M1 | --                  | VO_EBC_SDDO4  | VO_LCDC_D4    | GPIO3_C7_D)
MIPI_DPHY_CSI0_PWREN_H: TP1916.1 U1000.1D7(--          | --             | SPI1_MOSI_M2   | UART8_TX_M0    | --              | --              | FLEXBUS1_D5     | DSMC_DATA3  | SAI1_LRCK_M1 | --                  | VO_EBC_SDDO5  | VO_LCDC_D5    | GPIO3_C6_D)
MIPI_DPHY_CSI0_RX_CLKN/MIPI_CPHY_CSI_RX_TRIO1_B: TP1514.1 U1000.AL22(MIPI_DPHY_CSI0_RX_CLKN | MIPI_CPHY_CSI_RX_TRIO1_B)
MIPI_DPHY_CSI0_RX_CLKP/MIPI_CPHY_CSI_RX_TRIO1_C: TP1515.1 U1000.AK22(MIPI_DPHY_CSI0_RX_CLKP | MIPI_CPHY_CSI_RX_TRIO1_C)
MIPI_DPHY_CSI0_RX_D0N/MIPI_CPHY_CSI_RX_TRIO0_A: TP1510.1 U1000.AL20(MIPI_DPHY_CSI0_RX_D0N  | MIPI_CPHY_CSI_RX_TRIO0_A)
MIPI_DPHY_CSI0_RX_D0P/MIPI_CPHY_CSI_RX_TRIO0_B: TP1511.1 U1000.AK20(MIPI_DPHY_CSI0_RX_D0P  | MIPI_CPHY_CSI_RX_TRIO0_B)
MIPI_DPHY_CSI0_RX_D1N/MIPI_CPHY_CSI_RX_TRIO0_C: TP1512.1 U1000.AL21(MIPI_DPHY_CSI0_RX_D1N  | MIPI_CPHY_CSI_RX_TRIO0_C)
MIPI_DPHY_CSI0_RX_D1P/MIPI_CPHY_CSI_RX_TRIO1_A: TP1513.1 U1000.AK21(MIPI_DPHY_CSI0_RX_D1P  | MIPI_CPHY_CSI_RX_TRIO1_A)
MIPI_DPHY_CSI0_RX_D2N/MIPI_CPHY_CSI_RX_TRIO2_A: TP1516.1 U1000.AL23(MIPI_DPHY_CSI0_RX_D2N  | MIPI_CPHY_CSI_RX_TRIO2_A)
